# Altium PCB 2-quilter-output.pcbdoc (part 7 of 17)
Units mil, origin at the board's own origin, x right, y up, seen from the top; angles counter-clockwise.
Board outline 2728 x 2217 mil, 8 copper layers (L1_TOP, L2_GND, L3_INNER1, L4_GND, L5_PWR, L6_PWR, L7_GND, L8_BOT), stack 48.64 mil thick; 230 components, 327 nets, 1592 pads, 995 vias.
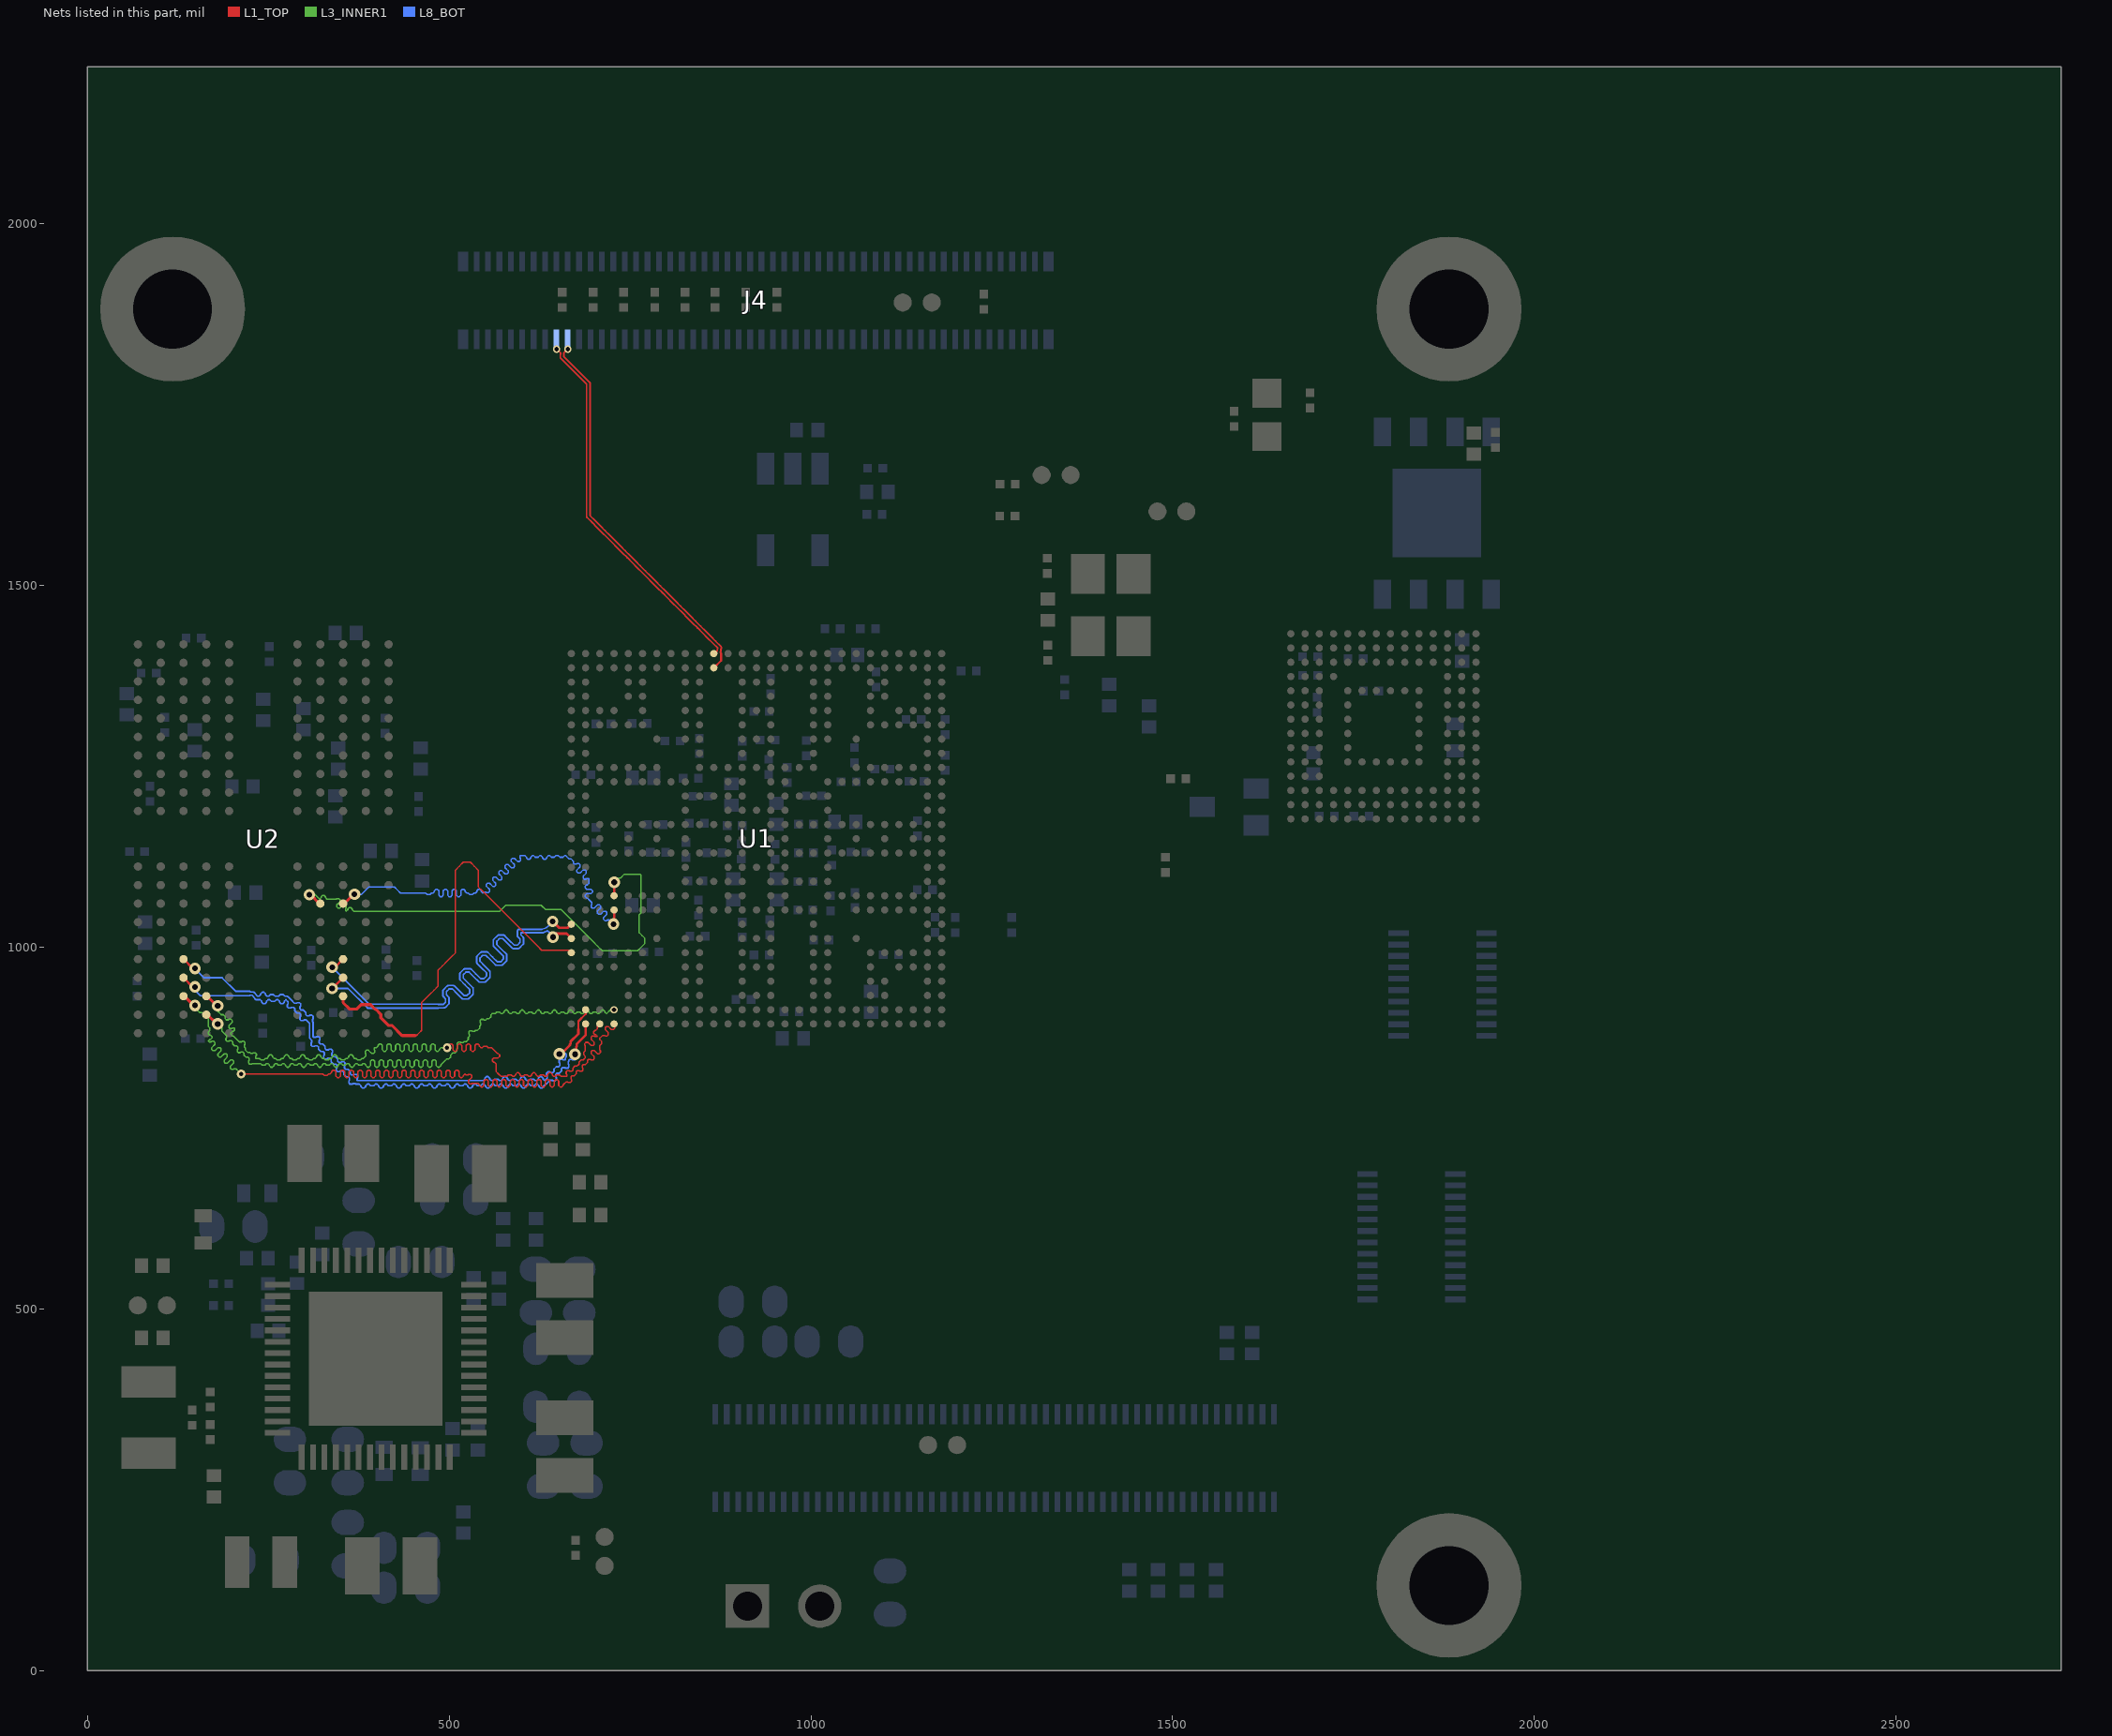
[diagram p13: the nets of this part, all layers, seen from the top]

## Via types
v1: diameter 12.01, hole 5.91, L1_TOP to L8_BOT, tented both sides, 409 vias
v2: diameter 16, hole 8, L1_TOP to L8_BOT, tented both sides, 329 vias
v3: diameter 10, hole 6, L1_TOP to L8_BOT, tented both sides, 205 vias
v4: diameter 16, hole 8, L1_TOP to L8_BOT, tented top, 52 vias

## Nets (pads, with @x,y where several pads share a name; then routed paths per layer and width w, separated by ;. In a path a pad name is that pad's centre, name@x,y a point inside that pad or via, vN(x,y) a via of type N, cw(c..) or ccw(c..) an arc to the next point about the centre after c; other vN are vias at no path point) (continued)
DRAMB_DATA14: U1.AG3 U2.C9 | length 998.2
  L1_TOP w2: v1(497.31,861.25) 497.35,861.21 499.39,863.25 499.39,864.25 501.42,866.28 503.43,866.28 505.46,864.25 505.46,858.17 507.5,856.13 509.5,856.13 511.54,858.17 511.54,864.25 513.57,866.28 515.58,866.28 517.61,864.25 517.61,858.17 519.65,856.13 521.65,856.13 523.69,858.17 523.69,864.25 525.73,866.28 527.73,866.28 529.76,864.25 529.76,858.17 531.8,856.13 533.8,856.13 535.84,858.17 535.84,864.25 537.88,866.28 539.88,866.28 541.92,864.25 541.92,863.25 543.95,861.21 545.95,861.21 547.99,863.25 551.99,863.25 554.03,861.21 556.03,861.21 558.83,861.21 564.86,855.18 566.89,853.15 567.89,853.15 569.93,851.11 569.93,849.11 567.89,847.07 561.82,847.07 559.78,845.04 559.78,843.03 561.82,841 562.82,841 564.86,838.96 564.86,833.7 564.86,828.44 568.35,824.94 571.85,821.45 577.89,821.45 579.89,821.45 581.93,823.48 585.93,823.48 587.97,821.45 589.97,821.45 592.01,823.48 592.01,824.48 594.05,826.52 596.05,826.52 598.08,824.48 598.08,823.48 600.12,821.45 602.12,821.45 604.16,823.48 608.16,823.48 610.2,821.45 612.2,821.45 614.24,823.48 614.24,824.48 616.28,826.52 618.28,826.52 620.32,824.48 620.32,823.48 622.35,821.45 624.35,821.45 626.39,823.48 630.39,823.48 632.43,821.45 634.43,821.45 636.47,823.48 636.47,824.48 638.51,826.52 640.51,826.52 642.55,824.48 642.55,823.48 644.58,821.45 646.58,821.45 648.62,823.48 652.63,823.48 654.66,821.45 656.66,821.45 662.61,821.45 662.61,824.33 661.9,825.03 661.9,827.91 663.32,829.33 666.2,829.33 666.9,828.62 669.78,828.62 671.2,830.04 671.2,832.92 674.03,835.75 676.91,835.75 678.33,837.16 679.74,838.58 679.74,841.46 682.57,844.29 685.46,844.29 686.87,845.71 688.42,847.26 688.42,849.26 686.39,851.3 686.39,855.3 688.42,857.34 688.42,859.34 688.42,860.67 688.42,863.55 687.72,864.26 687.72,867.14 689.13,868.55 692.01,868.55 696.31,864.26 699.19,864.26 700.6,865.67 700.6,868.55 696.31,872.85 696.31,875.73 697.72,877.14 700.6,877.14 701.31,876.44 704.19,876.44 704.78,877.03 702.75,879.06 701.75,879.06 699.71,881.1 699.71,883.1 701.75,885.14 702.75,885.14 704.78,887.18 704.78,890.43 U1.AG3@708.35,894
  L1_TOP w4.1: U2.C9@164.59,932.38 165.79,932.38 179.13,919.04 v2(180.33,919.04)
  L3_INNER1 w2: v2(180.33,919.04) 180.33,910.98 180.98,910.98 183.78,908.18 185.2,906.76 188.08,906.76 190.91,903.93 190.91,901.05 192.33,899.64 195.21,899.64 195.92,900.34 198.8,900.34 200.21,898.93 200.21,896.05 195.92,891.75 195.92,888.87 197.33,887.46 200.21,887.46 200.92,888.16 203.8,888.16 203.8,885.67 201.76,883.63 200.76,883.63 198.73,881.59 198.73,879.59 200.76,877.56 201.76,877.56 203.8,875.52 210.15,869.17 213.03,869.17 213.74,869.88 216.62,869.88 218.04,868.46 218.04,865.58 217.33,864.87 217.33,861.99 218.74,860.58 218.74,857.7 221.57,854.86 224.46,854.86 225.87,853.45 228.75,853.45 229.46,854.16 232.34,854.16 233.76,852.74 233.76,849.86 233.05,849.15 233.05,846.27 236.13,846.27 238.13,846.27 240.17,844.23 244.17,844.23 246.21,846.27 248.21,846.27 250.25,848.31 250.25,849.31 252.29,851.35 254.29,851.35 256.33,849.31 256.33,848.31 258.36,846.27 260.36,846.27 262.4,844.23 266.41,844.23 268.44,846.27 270.44,846.27 272.48,848.31 272.48,849.31 274.52,851.35 276.52,851.35 278.56,849.31 278.56,848.31 280.59,846.27 282.6,846.27 284.63,844.23 288.64,844.23 290.67,846.27 292.67,846.27 294.71,848.31 294.71,849.31 296.75,851.35 298.75,851.35 300.79,849.31 300.79,848.31 302.82,846.27 304.83,846.27 306.86,844.23 310.87,844.23 312.9,846.27 314.91,846.27 316.94,848.31 316.94,849.31 318.98,851.35 320.98,851.35 323.02,849.31 323.02,848.31 325.05,846.27 327.06,846.27 329.09,844.23 333.1,844.23 335.13,846.27 337.14,846.27 339.17,848.31 339.17,849.31 341.21,851.35 343.21,851.35 345.25,849.31 345.25,848.31 347.29,846.27 349.29,846.27 351.32,844.23 355.33,844.23 357.37,846.27 359.37,846.27 361.4,848.31 361.4,849.31 363.44,851.35 365.44,851.35 367.48,849.31 367.48,848.31 369.52,846.27 371.52,846.27 373.55,844.23 377.56,844.23 379.6,846.27 381.6,846.27 385.1,849.78 385.1,852.66 384.4,853.37 384.4,856.25 385.81,857.66 388.69,857.66 392.99,853.37 395.87,853.37 397.29,854.78 397.29,857.66 396.58,858.37 396.58,861.25 399.78,861.25 401.82,863.29 401.82,864.29 403.85,866.33 405.86,866.33 407.89,864.29 407.89,858.21 409.93,856.18 411.93,856.18 413.97,858.21 413.97,864.29 416.01,866.33 418.01,866.33 420.04,864.29 420.04,858.21 422.08,856.18 424.08,856.18 426.12,858.21 426.12,864.29 428.16,866.33 430.16,866.33 432.2,864.29 432.2,858.21 434.23,856.18 436.23,856.18 438.27,858.21 438.27,864.29 440.31,866.33 442.31,866.33 444.35,864.29 444.35,858.21 446.38,856.18 448.39,856.18 450.42,858.21 450.42,864.29 452.46,866.33 454.46,866.33 456.5,864.29 456.5,858.21 458.53,856.18 460.54,856.18 462.57,858.21 462.57,864.29 464.61,866.33 466.61,866.33 468.65,864.29 468.65,858.21 470.69,856.18 472.69,856.18 474.72,858.21 474.72,864.29 476.76,866.33 478.76,866.33 480.8,864.29 480.8,858.21 482.84,856.18 484.84,856.18 486.88,858.21 486.88,859.21 488.91,861.25 v1(497.31,861.25)
DRAMB_DATA15: U1.AF4 U2.B9 | length 891.8
  L1_TOP w4.1: U2.B9@164.59,906.79 166.06,906.79 178.86,893.99 v4(180.33,893.99)
  L3_INNER1 w2: v4(180.33,893.99) 186.02,888.31 186.02,884.24 192.38,877.89 192.38,875.01 191.67,874.3 191.67,871.42 193.09,870 195.97,870 196.67,870.71 199.55,870.71 200.97,869.29 200.97,866.41 203.8,863.58 206.68,863.58 208.1,862.17 208.1,859.29 207.39,858.58 207.39,855.7 208.81,854.28 211.69,854.28 212.39,854.99 215.27,854.99 216.69,853.58 216.69,850.69 219.52,847.86 222.4,847.86 223.82,846.45 223.82,843.57 223.11,842.86 223.11,839.98 224.52,838.56 227.41,838.56 228.11,839.27 230.99,839.27 237.72,839.27 239.73,839.27 241.76,837.23 245.77,837.23 247.8,839.27 249.81,839.27 251.84,837.23 251.84,836.23 253.88,834.2 255.88,834.2 257.92,836.23 257.92,837.23 259.96,839.27 261.96,839.27 263.99,837.23 268,837.23 270.04,839.27 272.04,839.27 274.07,837.23 274.07,836.23 276.11,834.2 278.11,834.2 280.15,836.23 280.15,837.23 282.19,839.27 284.19,839.27 286.23,837.23 290.23,837.23 292.27,839.27 294.27,839.27 296.3,837.23 296.3,836.23 298.34,834.2 300.34,834.2 302.38,836.23 302.38,837.23 304.42,839.27 306.42,839.27 308.46,837.23 312.46,837.23 314.5,839.27 316.5,839.27 318.54,837.23 318.54,836.23 320.57,834.2 322.57,834.2 324.61,836.23 324.61,837.23 326.65,839.27 328.65,839.27 330.69,837.23 334.69,837.23 336.73,839.27 338.73,839.27 340.77,837.23 340.77,836.23 342.8,834.2 344.8,834.2 346.84,836.23 346.84,837.23 348.88,839.27 350.88,839.27 352.92,837.23 356.92,837.23 358.96,839.27 360.96,839.27 363,837.23 363,836.23 365.03,834.2 367.04,834.2 369.07,836.23 369.07,837.23 371.11,839.27 373.11,839.27 375.15,837.23 379.15,837.23 381.19,839.27 383.19,839.27 385.23,837.23 385.23,836.23 387.26,834.2 389.27,834.2 391.3,836.23 391.3,842.31 393.34,844.35 395.34,844.35 397.38,842.31 397.38,836.23 399.42,834.2 401.42,834.2 403.45,836.23 403.45,842.31 405.49,844.35 407.49,844.35 409.53,842.31 409.53,836.23 411.57,834.2 413.57,834.2 415.61,836.23 415.61,842.31 417.64,844.35 419.64,844.35 421.68,842.31 421.68,836.23 423.72,834.2 425.72,834.2 427.76,836.23 427.76,842.31 429.79,844.35 431.8,844.35 433.83,842.31 433.83,836.23 435.87,834.2 437.87,834.2 439.91,836.23 439.91,842.31 441.94,844.35 443.95,844.35 445.98,842.31 445.98,836.23 448.02,834.2 450.02,834.2 452.06,836.23 452.06,842.31 454.1,844.35 456.1,844.35 458.13,842.31 458.13,836.23 460.17,834.2 462.17,834.2 464.21,836.23 464.21,842.31 466.25,844.35 468.25,844.35 470.29,842.31 470.29,836.23 472.32,834.2 474.32,834.2 476.36,836.23 476.36,842.31 478.4,844.35 480.4,844.35 482.44,842.31 482.44,836.23 484.47,834.2 486.48,834.2 488.51,836.23 488.51,837.23 490.55,839.27 495.17,843.89 496.58,845.31 499.46,845.31 502.3,848.14 502.3,851.02 503.71,852.43 505.13,853.85 508.01,853.85 510.84,856.68 510.84,859.56 512.25,860.98 512.25,863.86 511.55,864.57 511.55,867.45 512.96,868.86 515.84,868.86 516.55,868.15 519.43,868.15 520.85,869.57 523.73,869.57 526.56,872.4 526.56,875.28 527.97,876.7 527.97,879.58 527.27,880.28 527.27,883.17 528.68,884.58 531.56,884.58 532.27,883.87 535.15,883.87 536.57,885.29 539.45,885.29 542.28,888.12 542.28,891 543.69,892.42 543.69,895.3 542.99,896 542.99,898.88 544.4,900.3 547.28,900.3 547.99,899.59 550.87,899.59 552.29,901.01 555.17,901.01 558,903.84 558,906.72 559.41,908.14 561.83,908.14 563.83,908.14 565.87,910.17 569.87,910.17 571.91,908.14 573.91,908.14 575.95,910.17 575.95,911.17 577.99,913.21 579.99,913.21 582.03,911.17 582.03,910.17 584.06,908.14 586.06,908.14 588.1,910.17 592.11,910.17 594.14,908.14 596.14,908.14 598.18,910.17 598.18,911.17 600.22,913.21 602.22,913.21 604.26,911.17 604.26,910.17 606.29,908.14 608.29,908.14 610.33,910.17 614.34,910.17 616.37,908.14 618.37,908.14 620.41,910.17 620.41,911.17 622.45,913.21 624.45,913.21 626.49,911.17 626.49,910.17 628.52,908.14 630.53,908.14 632.56,910.17 636.57,910.17 638.6,908.14 640.61,908.14 642.64,910.17 642.64,911.17 644.68,913.21 646.68,913.21 648.72,911.17 648.72,910.17 650.75,908.14 652.76,908.14 654.79,910.17 658.8,910.17 660.83,908.14 662.84,908.14 664.87,910.17 664.87,911.17 666.91,913.21 668.91,913.21 670.95,911.17 670.95,910.17 672.99,908.14 674.99,908.14 677.02,910.17 681.03,910.17 683.06,908.14 685.07,908.14 687.1,910.17 687.1,911.17 689.14,913.21 691.14,913.21 693.18,911.17 693.18,910.17 695.22,908.14 697.22,908.14 699.25,910.17 703.26,910.17 705.3,908.14 707.3,908.14 709.33,910.17 709.33,911.17 711.37,913.21 713.37,913.21 715.41,911.17 715.41,910.17 717.45,908.14 722.99,913.68 v3(728.04,913.68)
DRAMB_DMI0: U1.AB1 U2.C3 | length 615.7
  L1_TOP w2: 455,877.95 458.61,881.58 462.23,885.21 462.23,892.9 462.23,900.59 462.23,908.27 462.23,915.96 462.23,923.64 467.87,929.29 473.51,934.93 479.16,940.58 484.8,946.22 484.8,953.54 484.8,960.87 484.8,968.19 490.84,974.23 496.88,980.27 502.91,986.31 508.95,992.34 508.95,1001.13 508.95,1009.92 508.95,1018.71 508.95,1027.5 508.95,1036.28 508.95,1045.07 508.95,1053.86 508.95,1062.65 508.95,1071.44 508.95,1080.22 508.95,1089.01 508.95,1097.8 508.95,1106.59 514.39,1112.03 519.84,1117.47 524.63,1117.47 529.42,1117.47 534.86,1112.03 540.3,1106.59 540.3,1098.96 540.3,1091.34 540.3,1083.71 546.57,1077.44 552.84,1071.17 559.11,1064.91 565.37,1058.64 571.64,1052.37 577.91,1046.1 584.18,1039.84 590.44,1033.57 596.71,1027.3 602.98,1021.03 609.25,1014.77 615.51,1008.5 621.78,1002.23 628.05,995.96 635.52,995.96 642.99,995.96 650.47,995.96 657.94,995.96 665.41,995.96 U1.AB1@668.98,992.42
  L1_TOP w4.1: U2.C3@353.57,932.38 353.57,923.48 362.42,914.63 372.63,914.63 378.58,920.58 391.43,920.58 398.12,913.89 399.2,913.89 405.76,907.33 405.76,902.32 416.08,892 421.03,892 435.09,877.94 452.94,877.94
DRAMB_DMI1: U1.AG4 U2.C10 | length 1226.6
  L1_TOP w2: v1(212.76,824.91) 221.35,824.91 229.87,824.91 238.38,824.91 246.9,824.91 255.42,824.91 263.93,824.91 272.45,824.91 280.96,824.91 289.48,824.91 298,824.91 306.51,824.91 315.03,824.91 323.54,824.91 325.55,824.91 327.58,822.87 331.59,822.87 333.62,824.91 335.62,824.91 337.66,826.94 337.66,827.95 339.7,829.98 341.7,829.98 343.74,827.95 343.74,821.87 345.77,819.83 347.78,819.83 349.81,821.87 349.81,827.95 351.85,829.98 353.85,829.98 355.89,827.95 355.89,821.87 357.93,819.83 359.93,819.83 361.96,821.87 361.96,827.95 364,829.98 366,829.98 368.04,827.95 368.04,821.87 370.08,819.83 372.08,819.83 374.12,821.87 374.12,827.95 376.15,829.98 378.15,829.98 380.19,827.95 380.19,821.87 382.23,819.83 384.23,819.83 386.27,821.87 386.27,827.95 388.3,829.98 390.31,829.98 392.34,827.95 392.34,821.87 394.38,819.83 396.38,819.83 398.42,821.87 398.42,827.95 400.45,829.98 402.46,829.98 404.49,827.95 404.49,821.87 406.53,819.83 408.53,819.83 410.57,821.87 410.57,827.95 412.61,829.98 414.61,829.98 416.64,827.95 416.64,821.87 418.68,819.83 420.68,819.83 422.72,821.87 422.72,827.95 424.76,829.98 426.76,829.98 428.8,827.95 428.8,821.87 430.83,819.83 432.83,819.83 434.87,821.87 434.87,827.95 436.91,829.98 438.91,829.98 440.95,827.95 440.95,821.87 442.98,819.83 444.99,819.83 447.02,821.87 447.02,827.95 449.06,829.98 451.06,829.98 453.1,827.95 453.1,821.87 455.13,819.83 457.14,819.83 459.17,821.87 459.17,827.95 461.21,829.98 463.21,829.98 465.25,827.95 465.25,821.87 467.29,819.83 469.29,819.83 471.32,821.87 471.32,827.95 473.36,829.98 475.36,829.98 477.4,827.95 477.4,821.87 479.44,819.83 481.44,819.83 483.48,821.87 483.48,827.95 485.51,829.98 487.51,829.98 489.55,827.95 489.55,821.87 491.59,819.83 493.59,819.83 495.63,821.87 495.63,827.95 497.66,829.98 499.67,829.98 501.7,827.95 501.7,821.87 503.74,819.83 505.74,819.83 507.78,821.87 507.78,827.95 509.81,829.98 511.82,829.98 513.85,827.95 513.85,821.87 515.89,819.83 517.89,819.83 519.93,821.87 519.93,822.87 521.97,824.91 523.38,823.49 526.26,823.49 526.97,824.2 529.85,824.2 531.27,822.78 531.27,819.9 526.97,815.6 526.97,812.72 528.39,811.31 531.27,811.31 531.98,812.02 534.86,812.02 540.16,812.02 542.2,809.98 542.2,808.98 544.23,806.94 546.24,806.94 548.27,808.98 548.27,815.05 550.31,817.09 552.31,817.09 554.35,815.05 554.35,808.98 556.39,806.94 558.39,806.94 560.42,808.98 560.42,815.05 562.46,817.09 564.46,817.09 566.5,815.05 566.5,808.98 568.54,806.94 570.54,806.94 572.58,808.98 572.58,815.05 574.61,817.09 576.61,817.09 578.65,815.05 578.65,808.98 580.69,806.94 582.69,806.94 584.73,808.98 584.73,815.05 586.76,817.09 588.77,817.09 590.8,815.05 590.8,808.98 592.84,806.94 594.84,806.94 596.88,808.98 596.88,815.05 598.91,817.09 600.92,817.09 602.95,815.05 602.95,808.98 604.99,806.94 606.99,806.94 609.03,808.98 609.03,815.05 611.07,817.09 613.07,817.09 615.1,815.05 615.1,808.98 617.14,806.94 619.14,806.94 621.18,808.98 621.18,815.05 623.22,817.09 625.22,817.09 627.26,815.05 627.26,808.98 629.29,806.94 631.29,806.94 633.33,808.98 633.33,815.05 635.37,817.09 637.37,817.09 639.41,815.05 639.41,808.98 641.44,806.94 643.45,806.94 645.48,808.98 645.48,815.05 647.52,817.09 649.52,817.09 651.56,815.05 651.56,808.98 653.59,806.94 655.6,806.94 657.63,808.98 657.63,809.98 659.67,812.02 661.29,813.63 664.17,813.63 664.87,812.93 667.76,812.93 669.17,814.34 669.17,817.22 668.46,817.93 668.46,820.81 669.88,822.23 672.76,822.23 675.59,825.06 675.59,827.94 677.01,829.35 679.89,829.35 680.59,828.64 683.47,828.64 684.89,830.06 684.89,832.94 684.18,833.65 684.18,836.53 685.6,837.94 688.48,837.94 691.31,840.78 691.31,843.66 692.73,845.07 695.61,845.07 696.31,844.36 699.19,844.36 700.61,845.78 700.61,848.66 696.31,852.96 696.31,855.84 697.73,857.25 700.61,857.25 704.91,852.96 707.79,852.96 709.2,854.37 709.2,857.25 708.49,857.96 708.49,860.84 708.49,862.38 708.49,864.38 710.53,866.42 710.53,870.42 708.49,872.46 708.49,874.46 712.26,878.23 715.14,878.23 715.85,877.52 718.73,877.52 720.15,878.94 720.15,881.82 715.85,886.11 715.85,888.99 717.27,890.41 720.15,890.41 724.44,886.11 727.32,886.11 728.74,887.53 728.74,890.41 728.03,891.12 U1.AG4@728.04,893.99
  L1_TOP w4.1: U2.C10@133.09,932.38 134.57,932.38 147.36,919.59 v2(148.84,919.59)
  L3_INNER1 w2: v2(148.84,919.59) 151.51,916.91 152.93,915.5 152.93,912.62 155.76,909.79 158.64,909.79 160.05,908.37 162.93,908.37 163.64,909.08 166.52,909.08 167.94,907.66 167.94,904.78 167.23,904.07 167.23,901.19 167.23,892.67 167.23,890.67 169.27,888.63 169.27,884.63 167.23,882.59 167.23,880.59 169.27,878.55 170.27,878.55 172.31,876.52 172.31,874.51 170.27,872.48 169.27,872.48 167.23,870.44 168.5,869.17 171.38,869.17 172.09,869.88 174.97,869.88 176.39,868.46 176.39,865.58 172.09,861.28 172.09,858.4 173.51,856.99 176.39,856.99 180.68,861.28 183.56,861.28 184.98,859.87 184.98,856.99 180.68,852.69 180.68,849.81 182.1,848.4 184.98,848.4 189.28,852.69 192.16,852.69 193.57,851.28 193.57,848.4 189.28,844.1 189.28,841.22 190.69,839.8 193.57,839.8 197.87,844.1 200.75,844.1 202.16,842.68 202.16,839.8 197.87,835.51 197.87,832.63 199.28,831.21 202.16,831.21 202.87,831.92 205.75,831.92 209.26,828.41 v1(212.76,824.91)
DRAMB_nCS0: U1.V4 U2.H4 | length 717.8
  L1_TOP w3.3: U1.V4@728.04,1071.16 728.04,1088.81 728.08,1088.85 728.08,1089.56 v2(728.21,1089.69)
  L1_TOP w4.1: v4(307,1072.65) 308.38,1072.65 320.69,1060.33 U2.H4@322.07,1060.33
  L3_INNER1 w2: v4@306.99,1072.66 315.04,1072.66 321.17,1066.53 323.2,1068.57 323.2,1069.57 325.24,1071.61 327.24,1071.61 329.28,1069.57 329.28,1068.57 331.32,1066.53 336.34,1066.53 341.37,1066.53 344.25,1066.53 344.96,1067.24 347.84,1067.24 349.26,1065.82 349.26,1062.94 344.96,1058.65 344.96,1055.77 346.38,1054.35 349.26,1054.35 353.55,1058.65 356.43,1058.65 357.85,1057.23 357.85,1054.35 357.14,1053.64 357.14,1050.76 358.07,1049.83 360.11,1051.87 360.11,1052.87 362.14,1054.91 364.15,1054.91 366.18,1052.87 366.18,1051.87 368.22,1049.83 377,1049.83 385.77,1049.83 394.55,1049.83 403.32,1049.83 412.1,1049.83 420.88,1049.83 429.65,1049.83 438.43,1049.83 447.21,1049.83 455.98,1049.83 464.76,1049.83 473.53,1049.83 482.31,1049.83 491.09,1049.83 499.86,1049.83 508.64,1049.83 517.41,1049.83 526.19,1049.83 534.97,1049.83 543.74,1049.83 552.52,1049.83 561.29,1049.83 570.07,1049.83 574.18,1053.94 578.29,1058.05 586.47,1058.05 594.66,1058.05 602.85,1058.05 611.03,1058.05 619.22,1058.05 627.4,1058.05 633.35,1052.1 640.5,1052.1 647.64,1052.1 654.79,1052.1 661.12,1045.77 667.45,1039.45 673.77,1033.12 680.1,1026.79 686.43,1020.46 692.76,1014.14 699.08,1007.81 705.41,1001.48 711.74,995.15 719.9,995.15 728.05,995.15 736.21,995.15 744.36,995.15 752.52,995.15 760.68,995.15 765.67,1000.14 770.66,1005.13 770.66,1012.2 766.78,1016.09 762.89,1019.97 762.89,1028.3 762.89,1036.63 762.89,1044.97 765.01,1047.08 765.01,1055.86 765.01,1064.64 765.01,1073.42 765.01,1082.2 765.01,1090.98 765.01,1099.76 763.86,1100.91 756.65,1100.91 749.44,1100.91 742.23,1100.91 736.72,1095.39 733.9,1095.39 v2(728.21,1089.69)
DRAMB_nCS1: U1.W4 U2.H3 | length 731.1
  L1_TOP w3.3: v2(727.24,1031.9) 728.04,1032.7 U1.W4@728.04,1051.48
  L1_TOP w4.1: U2.H3@353.57,1060.33 355.04,1060.33 367.84,1073.13 v4(369.31,1073.13)
  L8_BOT w2: v4(369.31,1073.13) 377.36,1073.13 379.17,1073.13 384.28,1078.24 389.39,1083.34 398.14,1083.34 406.9,1083.34 415.66,1083.34 424.41,1083.34 428.64,1079.11 432.87,1074.88 441.09,1074.88 449.31,1074.88 457.53,1074.88 465.75,1074.88 467.75,1074.88 469.79,1072.85 473.79,1072.85 475.83,1074.88 477.83,1074.88 479.87,1076.92 479.87,1077.92 481.91,1079.96 483.91,1079.96 485.95,1077.92 485.95,1071.84 487.98,1069.81 489.98,1069.81 492.02,1071.84 492.02,1077.92 494.06,1079.96 496.06,1079.96 498.1,1077.92 498.1,1071.84 500.13,1069.81 502.14,1069.81 504.17,1071.84 504.17,1077.92 506.21,1079.96 508.21,1079.96 510.25,1077.92 510.25,1071.84 512.28,1069.81 514.29,1069.81 516.32,1071.84 516.32,1077.92 518.36,1079.96 520.36,1079.96 522.4,1077.92 522.4,1076.92 524.44,1074.88 526.44,1074.88 528.47,1072.85 532.48,1072.85 534.52,1074.88 536.52,1074.88 538.55,1076.92 538.55,1077.92 540.59,1079.96 542.59,1079.96 544.63,1077.92 544.63,1076.92 546.67,1074.88 548.07,1076.28 550.95,1076.28 551.66,1075.58 554.54,1075.58 555.95,1076.99 555.95,1079.87 551.66,1084.17 551.66,1087.05 553.07,1088.46 555.95,1088.46 560.25,1084.17 563.13,1084.17 564.54,1085.58 564.54,1088.46 560.25,1092.76 560.25,1095.64 561.66,1097.06 564.54,1097.06 568.84,1092.76 571.72,1092.76 573.14,1094.18 573.14,1097.06 568.84,1101.35 568.84,1104.23 570.26,1105.65 573.14,1105.65 577.43,1101.35 580.31,1101.35 581.73,1102.77 581.73,1105.65 577.43,1109.94 577.43,1112.82 578.85,1114.24 581.73,1114.24 586.02,1109.94 588.91,1109.94 590.32,1111.36 590.32,1114.24 586.02,1118.54 586.02,1121.42 587.44,1122.83 590.32,1122.83 594.62,1118.54 597.5,1118.54 598.91,1119.95 598.91,1122.83 598.21,1123.54 598.21,1126.42 604.9,1126.42 606.93,1124.38 606.93,1123.38 608.97,1121.35 610.97,1121.35 613.01,1123.38 613.01,1124.38 615.05,1126.42 617.05,1126.42 619.09,1124.38 623.09,1124.38 625.13,1126.42 627.13,1126.42 629.17,1124.38 629.17,1123.38 631.2,1121.35 633.2,1121.35 635.24,1123.38 635.24,1124.38 637.28,1126.42 639.28,1126.42 641.32,1124.38 645.32,1124.38 647.36,1126.42 649.36,1126.42 651.36,1126.42 653.4,1124.38 657.4,1124.38 659.44,1126.42 661.44,1126.42 664.61,1123.25 666.03,1121.83 668.91,1121.83 671.74,1119 671.74,1116.12 673.15,1114.71 676.04,1114.71 676.74,1115.41 679.62,1115.41 681.04,1114 681.04,1111.12 676.74,1106.82 676.74,1103.94 678.16,1102.53 681.04,1102.53 685.34,1106.82 688.22,1106.82 689.63,1105.41 689.63,1102.53 685.34,1098.23 685.34,1095.35 686.75,1093.93 689.63,1093.93 690.34,1094.64 693.22,1094.64 693.22,1088.21 691.18,1086.18 690.18,1086.18 688.14,1084.14 688.14,1082.14 690.18,1080.1 696.26,1080.1 698.29,1078.07 698.29,1076.06 696.26,1074.03 690.18,1074.03 688.14,1071.99 688.14,1069.99 690.18,1067.95 691.18,1067.95 693.22,1065.91 697.17,1061.96 697.17,1059.08 696.47,1058.37 696.47,1055.49 697.88,1054.07 700.76,1054.07 705.06,1058.37 707.94,1058.37 709.36,1056.96 709.36,1054.07 705.06,1049.78 705.06,1046.9 706.47,1045.48 709.36,1045.48 713.65,1049.78 716.53,1049.78 717.95,1048.36 717.95,1045.48 713.65,1041.19 713.65,1038.31 715.07,1036.89 717.95,1036.89 718.65,1037.6 721.54,1037.6 v2(727.24,1031.9)